# Altium PCB Modified.PcbDoc (part 3 of 3)
Units mm, origin at the board's own origin, x right, y up, seen from the top; angles counter-clockwise.
Board outline 130 x 95 mm, 2 copper layers (Top Layer, Bottom Layer), stack 1.671 mm thick; 165 components, 139 nets, 629 pads, 566 vias.
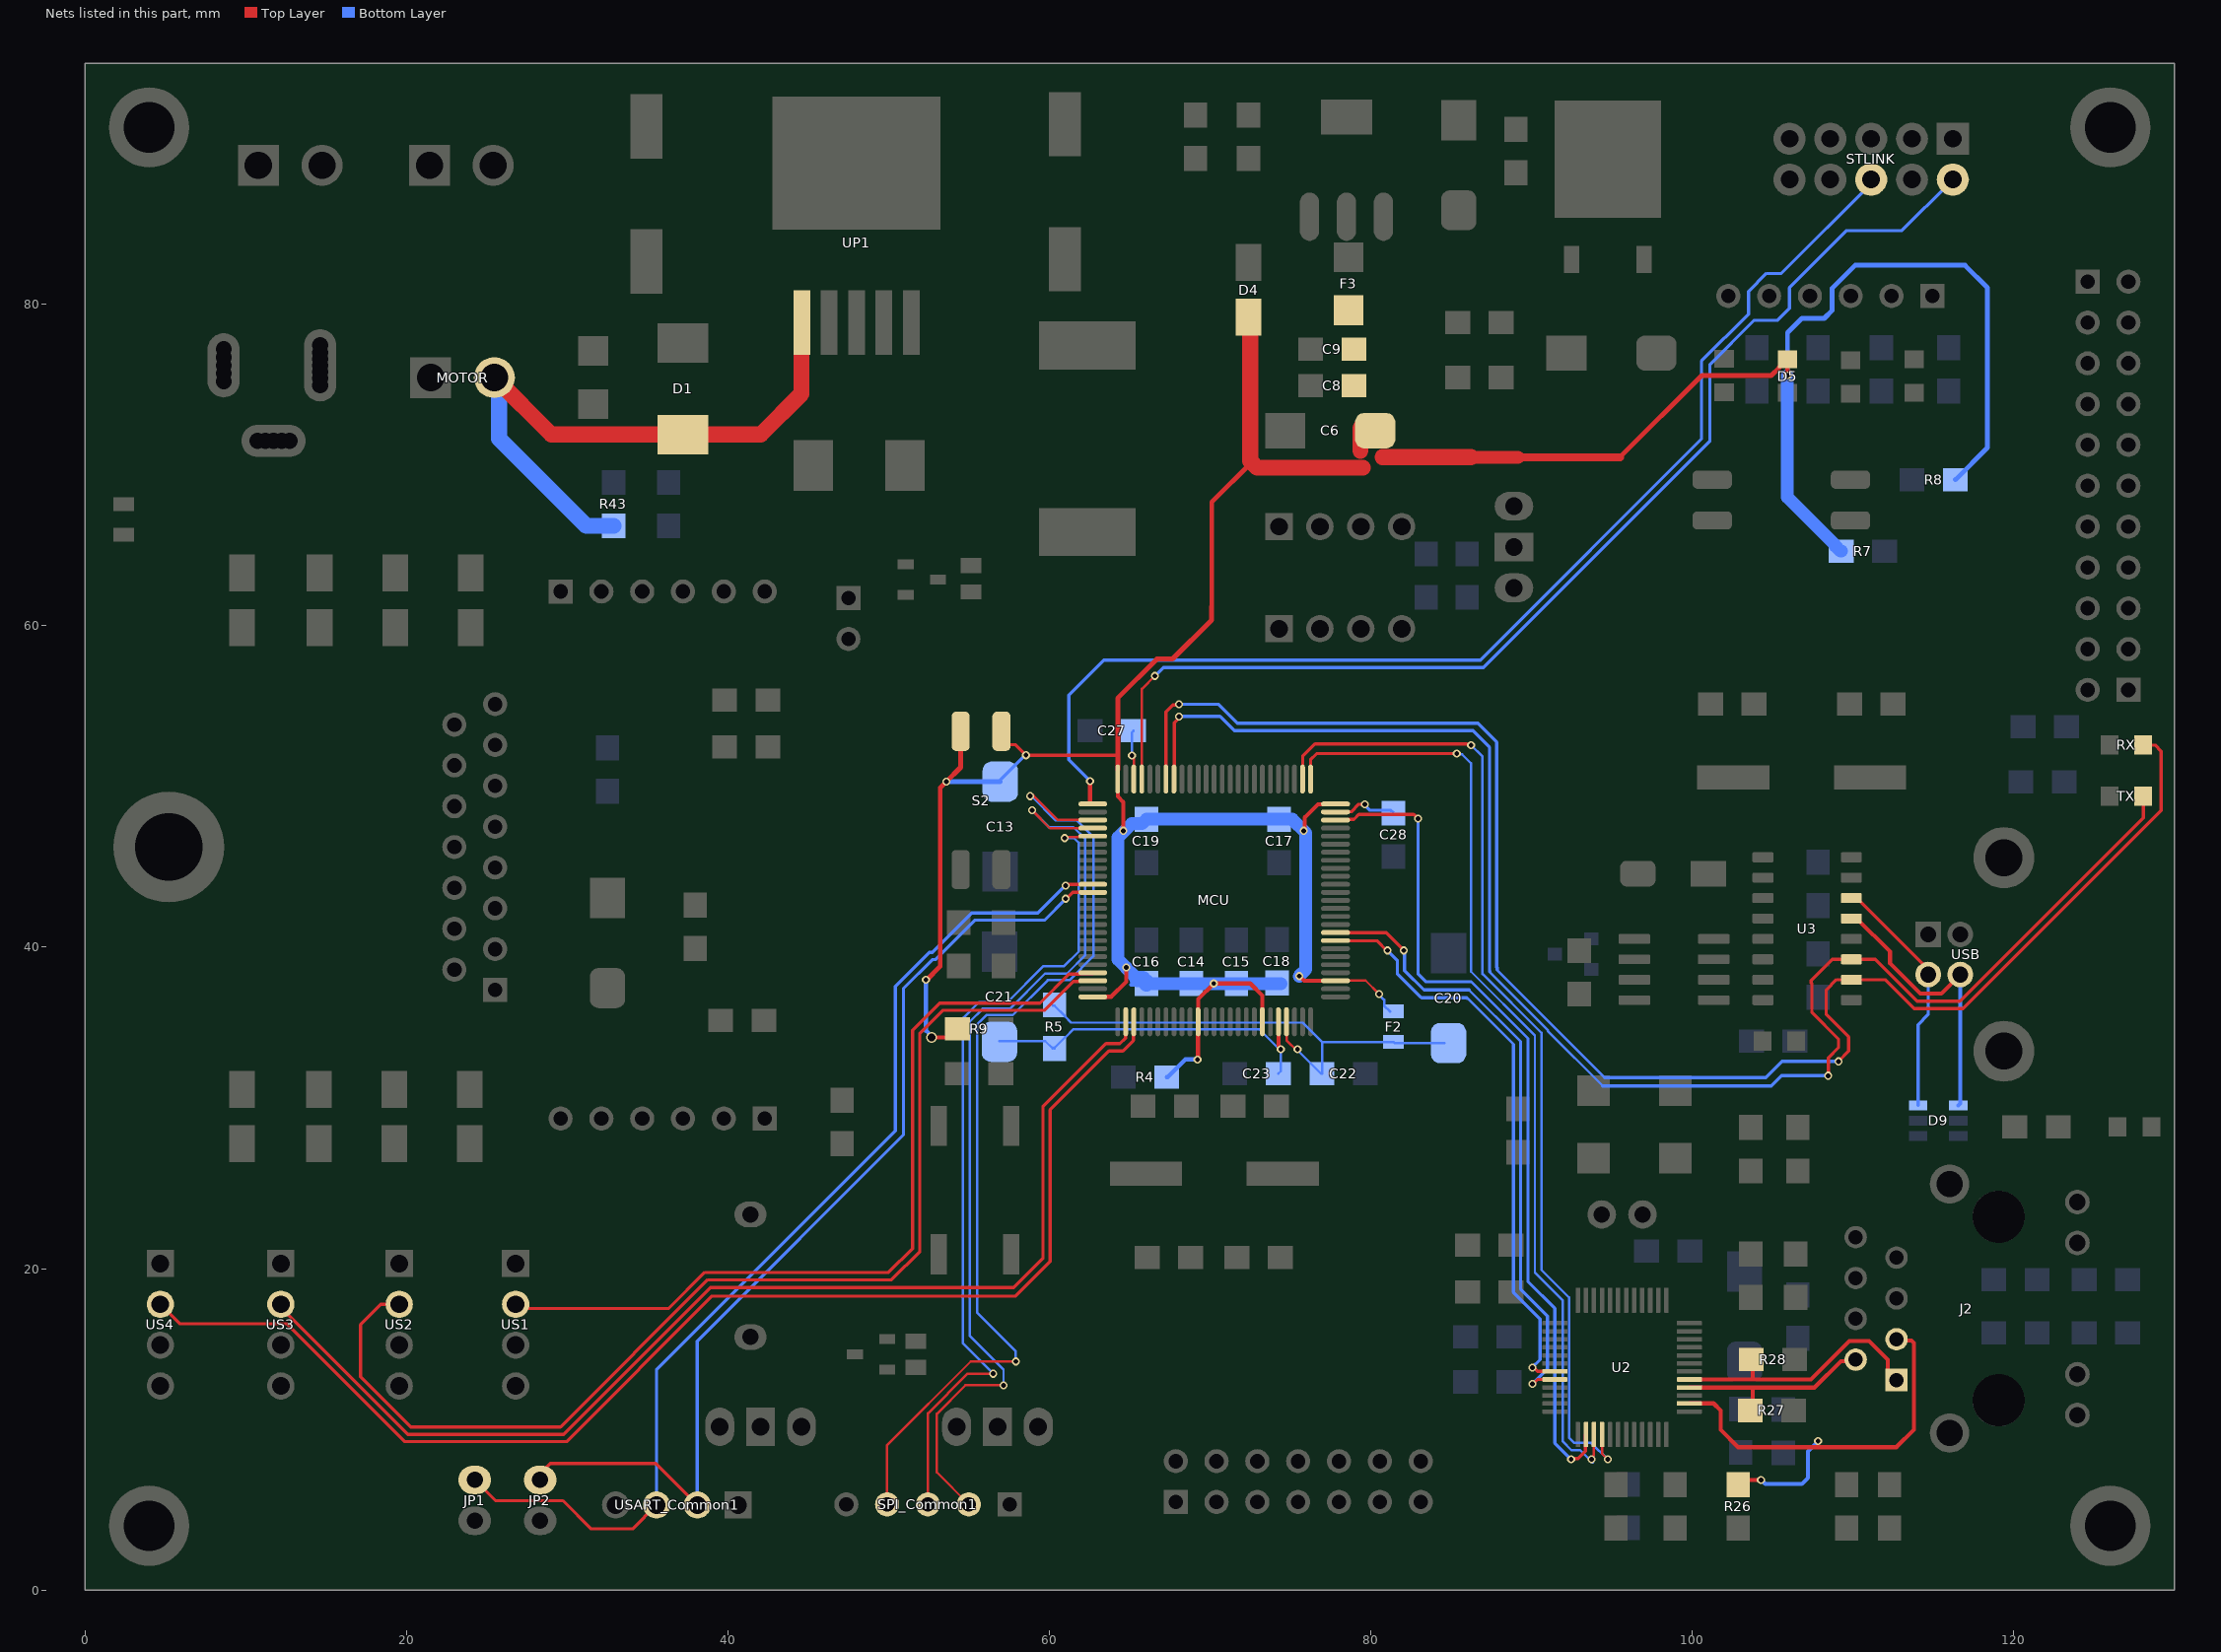
[diagram p3: the nets of this part, all layers, seen from the top]

## Via types
v1: diameter 0.7, hole 0.5, Top Layer to Bottom Layer, 217 vias
v2: diameter 0.5, hole 0.3, Top Layer to Bottom Layer, tented both sides, 183 vias
v3: diameter 0.5, hole 0.3, Top Layer to Bottom Layer, 139 vias
v4: diameter 0.7, hole 0.5, Top Layer to Bottom Layer, tented both sides, 19 vias
v5: diameter 1, hole 0.5, Top Layer to Bottom Layer, 4 vias
v6: diameter 0.7, hole 0.5, Top Layer to Bottom Layer, tented bottom, 3 vias
v7: diameter 0.7, hole 0.4, Top Layer to Bottom Layer, tented both sides, 1 vias

## Nets (pads, with @x,y where several pads share a name; then routed paths per layer and width w, separated by ;. In a path a pad name is that pad's centre, name@x,y a point inside that pad or via, vN(x,y) a via of type N, cw(c..) or ccw(c..) an arc to the next point about the centre after c; other vN are vias at no path point) (continued)
RD_P: J2.3 R26.2 U2.14 | length 30
  Top Layer w0.254: U2.14@99.822,11.616 101.321,11.616 101.767,11.17 101.767,9.972 102.849,8.89 112.693,8.89 113.782,9.979 113.782,15.37 113.633,15.519 112.79,15.519 J2.3@112.702,15.607 ; R26.2@102.849,6.672 103.032,6.854 v2(104.267,6.854)
  Bottom Layer w0.254: v2(104.267,6.854) 104.293,6.854 104.539,6.608 106.811,6.608 107.188,6.985 107.188,8.636 v2(107.823,9.271)
RXD_0_ETH: MCU.33 U2.43 | length 36.8
  Top Layer w0.2: MCU.33@77.81,40.401 80.376,40.401 v2@81.026,39.751 ; v2(90.043,13.843) 90.124,13.843 90.362,13.605 U2.43@91.451,13.605
  Bottom Layer w0.15: 85.979,36.83 86.014,36.83 88.867,33.977 88.867,33.942
  Bottom Layer w0.2: v2(81.026,39.797) 81.645,39.177 81.645,38.355 83.104,36.897 83.152,36.849 85.96,36.849 85.979,36.83 ; 88.867,33.942 88.867,18.526 90.532,16.861 90.532,14.332 v2(90.043,13.843)
RXD_1_ETH: MCU.34 U2.44 | length 38.9
  Top Layer w0.2: MCU.34@77.81,40.901 80.957,40.901 82.042,39.815 v2@82.042,39.751 ; v2(90.043,12.827) 90.093,12.827 90.371,13.105 U2.44@91.451,13.105
  Bottom Layer w0.15: 86.113,37.338 89.321,34.13
  Bottom Layer w0.2: v2@82.042,39.751 82.099,39.694 82.099,38.544 83.305,37.338 86.113,37.338 ; 89.321,34.13 89.321,18.714 90.986,17.049 90.986,13.77 v2(90.043,12.827)
  other v2: 82.042,39.797
SPI3_MISO: MCU.79 SPI_Common1.2 | length 59.2
  Top Layer w0.15: SPI_Common1.2@54.991,5.334 53,7.325 53,10.969 54.777,12.746 v2(57.15,12.746) ; v2(58.928,48.514) 60.04,47.402 MCU.79@62.694,47.402
  Bottom Layer w0.15: v2(57.15,12.746) 57.15,13.716 55.037,15.829 55.037,35.352 55.857,36.172 57.553,36.172 59.735,38.354 61.087,38.354 62.23,39.497 62.23,46.736 61.491,47.475 59.967,47.475 v2(58.928,48.514)
SPI3_MOSI: MCU.80 SPI_Common1.3 | length 52.5
  Top Layer w0.15: SPI_Common1.3@52.451,5.334 52.451,10.991 54.922,13.462 v2(56.515,13.462) ; v2(60.96,46.787) 61.026,46.853 61.789,46.853 61.817,46.881 62.673,46.881 MCU.80@62.702,46.909
  Bottom Layer w0.15: v2(56.515,13.462) 54.633,15.344 54.633,35.583 55.626,36.576 57.386,36.576 59.612,38.803 60.901,38.803 61.826,39.728 61.826,46.505 61.553,46.778 v2@60.969,46.778
  Bottom Layer w0.2: SPI_Common1.3@52.451,5.334 SPI_Common1.3@52.832,5.334
SPI3_SCK: MCU.78 SPI_Common1.4 | length 61.8
  Top Layer w0.15: SPI_Common1.4@49.911,5.334 49.911,9.023 55.112,14.224 v2(57.912,14.224) ; v2(58.796,49.398) 58.844,49.446 58.998,49.446 60.535,47.909 MCU.78@62.702,47.909
  Bottom Layer w0.15: v2(57.912,14.224) 57.912,14.859 55.499,17.272 55.499,35.179 56.088,35.768 57.72,35.768 59.902,37.95 61.254,37.95 62.738,39.434 62.738,46.863 61.722,47.879 60.41,47.879 58.891,49.398 v2(58.796,49.398)
SWDCLK: MCU.76 STLINK.6 | length 74.5
  Top Layer w0.254: v2(62.534,50.334) 62.534,48.931 62.564,48.901 MCU.76@62.71,48.901
  Bottom Layer w0.2: v2(62.534,50.334) 61.214,51.654 61.214,55.688 63.384,57.858 86.814,57.858 100.565,71.609 100.565,76.458 103.494,79.387 103.494,80.798 104.611,81.915 105.537,81.915 111.125,87.503 STLINK.6@111.125,87.757
SWDIO: MCU.72 STLINK.2 | length 72.8
  Top Layer w0.15: MCU.72@65.76,50.451 65.76,56.072 v2(66.566,56.878)
  Bottom Layer w0.2: v2(66.566,56.878) 67.092,57.404 87.002,57.404 101.092,71.494 101.092,76.267 103.819,78.994 105.283,78.994 106.045,79.756 106.045,81.026 109.601,84.582 113.03,84.582 STLINK.2@115.995,87.547 ; STLINK.2@115.926,87.616 cw(c116.153,87.503) 116.129,87.756 116.141,87.757 STLINK.2@116.205,87.757
TD_N: J2.2 R27.1 U2.16 | length 12.5
  Top Layer w0.254: U2.16@99.819,12.597 103.759,12.597 ; R27.1@103.747,11.176 103.747,12.585 103.759,12.597 ; J2.2@110.162,14.337 110.067,14.242 109.238,14.242 107.593,12.597 103.759,12.597
TD_P: J2.1 R28.2 U2.17 | length 16.6
  Top Layer w0.254: U2.17@99.811,13.105 103.759,13.105 ; R28.2@103.667,14.351 103.759,14.259 103.759,13.105 ; J2.1@112.702,13.067 112.159,13.61 112.159,14.333 110.998,15.494 109.772,15.494 107.383,13.105 103.759,13.105
Trig_HC1: MCU.97 US1.2 | length 52.6
  Top Layer w0.2: US1.2@26.797,17.78 27.051,17.526 36.329,17.526 38.565,19.762 50.002,19.762 51.489,21.249 51.489,34.838 53.173,36.522 59.418,36.522 61.225,38.329 61.899,38.329 61.932,38.363 62.673,38.363 MCU.97@62.71,38.401
Trig_HC2: MCU.98 US2.2 | length 72.5
  Top Layer w0.2: US2.2@19.558,17.78 18.415,17.78 17.145,16.51 17.145,13.274 20.275,10.144 29.589,10.144 38.749,19.304 50.186,19.304 51.943,21.061 51.943,34.65 53.361,36.068 59.683,36.068 61.478,37.863 61.835,37.863 61.847,37.875 62.685,37.875 MCU.98@62.71,37.901
Trig_HC3: MCU.2 US3.2 | length 72.8
  Top Layer w0.2: US3.2@12.192,17.78 12.192,17.585 20.087,9.69 29.777,9.69 38.915,18.828 57.791,18.828 59.598,20.635 59.598,30.071 63.522,33.995 64.387,33.995 64.732,34.34 64.732,35.323 MCU.2@64.76,35.351
Trig_HC4: MCU.3 US4.2 | length 81.1
  Top Layer w0.2: US4.2@4.699,17.78 5.903,16.576 12.559,16.576 16.376,12.759 19.899,9.236 29.965,9.236 39.02,18.291 57.896,18.291 60.052,20.447 60.052,29.883 63.71,33.541 64.575,33.541 65.232,34.198 65.232,35.323 MCU.3@65.26,35.351
TX_0_ETH: MCU.51 U2.3 | length 60.2
  Top Layer w0.15: v2(93.726,8.128) 93.726,8.223 93.881,8.378 U2.3@93.881,9.675
  Top Layer w0.2: MCU.51@76.252,50.459 76.252,51.659 76.639,52.047 v2(85.344,52.047)
  Bottom Layer w0.15: v2(85.344,52.047) 85.391,52 85.668,52 86.233,51.435 86.233,38.481 90.204,34.51 90.204,19.762 91.925,18.04 91.925,9.266 92.484,8.707 93.02,8.707 93.662,8.064 v2@93.796,7.931
TX_1_ETH: MCU.52 U2.4 | length 62.5
  Top Layer w0.15: U2.4@94.381,9.675 94.381,8.489 v2(94.742,8.128)
  Top Layer w0.2: MCU.52@75.752,50.459 75.76,50.468 75.76,51.884 76.527,52.651 85.966,52.651 85.981,52.635 86.176,52.635 v2(86.233,52.578)
  Bottom Layer w0.15: v2(86.233,52.578) 86.948,51.863 86.948,38.337 90.608,34.678 90.608,19.929 92.329,18.208 92.329,9.486 92.654,9.16 93.71,9.16 v2(94.742,8.128)
TX_EN_ETH: MCU.48 U2.2 | length 53
  Top Layer w0.2: MCU.48@77.802,47.909 77.821,47.929 78.641,47.929 78.668,47.955 78.95,47.955 79.255,48.26 82.664,48.26 82.918,48.006 v2(82.931,48.006) ; v2(92.456,8.128) 92.513,8.185 92.894,8.185 93.341,8.632 93.341,9.635 U2.2@93.381,9.675
  Bottom Layer w0.15: 86.247,37.846 89.775,34.318
  Bottom Layer w0.2: v2(82.931,48.006) 82.931,38.354 83.439,37.846 86.247,37.846 ; 89.775,34.318 89.775,19.191 91.44,17.526 91.44,9.144 v2(92.456,8.128)
UD+: D9.4 U3.5 USB.3 | length 18
  Top Layer w0.254: U3.5@109.894,41.783 110.239,41.783 112.301,39.721 112.301,38.996 114.181,37.117 115.489,37.117 USB.3@116.67,38.298
  Bottom Layer w0.15: USB.3@116.67,38.298 USB.3@116.67,38.448
  Bottom Layer w0.254: D9.4@116.546,30.16 116.67,30.284 USB.3@116.67,38.298
UD-: D9.3 U3.6 USB.2 | length 15.7
  Top Layer w0.203: U3.6@109.894,43.053 110.239,43.053 114.67,38.622 USB.2@114.67,38.298
  Bottom Layer w0.203: D9.3@114.046,30.16 114.046,35.179 114.67,35.803 USB.2@114.67,38.298 USB.2@114.414,38.042
USART2_RX: JP2.2 MCU.87 USART_Common1.2 | length 62.7
  Top Layer w0.2: JP2.2@28.067,6.985 28.956,7.874 35.523,7.874 USART_Common1.2@38.1,5.298 ; v2(61.017,43.013) 61.054,43.013 61.45,43.409 62.673,43.409 MCU.87@62.687,43.395
  Bottom Layer w0.2: USART_Common1.2@38.1,5.715 38.1,15.494 50.927,28.321 50.927,37.43 52.721,39.224 52.904,39.224 55.361,41.681 59.695,41.681 61.017,43.003 v2(61.017,43.013)
USART2_TX: JP1.1 MCU.86 USART_Common1.3 | length 66.1
  Top Layer w0.2: JP1.1@24.257,6.858 25.554,5.561 29.745,5.561 31.496,3.81 34.072,3.81 USART_Common1.3@35.56,5.298 ; v2(61.011,43.825) 61.092,43.825 61.177,43.909 MCU.86@62.702,43.909 MCU.86@62.71,43.901
  Bottom Layer w0.2: USART_Common1.3@35.56,5.715 35.56,13.716 50.419,28.575 50.419,37.564 52.533,39.678 52.716,39.678 55.173,42.135 59.284,42.135 60.974,43.825 v2(61.011,43.825)
USB_TTL_RX: MCU.68 TX.1 U3.3 | length 97.7
  Top Layer w0.203: MCU.68@67.752,50.459 67.77,50.478 67.77,53.974 68.072,54.276 v2(68.072,54.356) ; v2(108.458,32.004) 108.458,33.114 109.093,33.749 109.093,34.282 107.442,35.933 107.442,37.719 107.399,37.762 107.399,37.93 108.712,39.243 U3.3@109.894,39.243 111.372,39.243 113.981,36.634 116.641,36.634 128.05,48.044 TX.1@128.05,49.403
  Bottom Layer w0.15: 87.395,38.5 87.395,38.462 91.012,34.845 91.012,34.782 94.424,31.369
  Bottom Layer w0.203: v2(68.072,54.356) 70.612,54.356 71.501,53.467 86.36,53.467 87.379,52.448 87.379,38.515 87.395,38.5 ; 94.424,31.369 104.902,31.369 105.537,32.004 v2(108.458,32.004)
USB_TTL_TX: MCU.69 RX.1 U3.2 | length 101.8
  Top Layer w0.203: MCU.69@67.252,50.459 67.252,54.205 67.251,54.204 67.251,54.631 67.68,55.061 68.015,55.061 v2(68.072,55.118) ; v2(109.093,32.893) 109.728,33.528 109.728,34.417 108.331,35.814 108.331,37.338 108.966,37.973 U3.2@109.894,37.973 111.996,37.973 113.792,36.177 116.83,36.177 129.159,48.506 129.159,52.197 128.786,52.57 128.058,52.57 RX.1@128.05,52.578
  Bottom Layer w0.15: 87.855,38.611 87.823,38.611 87.82,38.608 94.551,31.877
  Bottom Layer w0.203: v2(68.072,55.118) 70.497,55.118 71.69,53.924 86.665,53.924 87.836,52.753 87.836,38.737 87.855,38.719 87.855,38.611 ; 94.551,31.877 104.574,31.877 105.59,32.893 v2(109.093,32.893)
VCAP_1: C28.2 MCU.49 | length 4.1
  Top Layer w0.2: MCU.49@77.802,48.409 78.585,48.409 78.598,48.422 78.775,48.422 79.248,48.895 v2(79.629,48.895)
  Bottom Layer w0.2: v2(79.629,48.895) 79.629,48.825 79.94,48.514 81.233,48.514 C28.2@81.407,48.34
VCAP_2: C27.2 MCU.73 | length 3.1
  Top Layer w0.15: v2(65.137,51.926) 65.137,51.832 65.252,51.718 MCU.73@65.252,50.459 MCU.73@65.26,50.451
  Bottom Layer w0.15: v2(65.137,51.926) 65.137,53.357 C27.2@65.239,53.459
VDD_MCU: C6.1 C8.2 C9.2 C13.1 C14.2 C15.2 C16.2 C17.2 C18.2 C19.2 D4.1 D5.2 F2.2 F3.2 MCU.11 MCU.19 MCU.28 MCU.50 MCU.75 MCU.100 R4.1 R7.1 R8.1 R9.2 S2.3 S2.4 | length 218.6
  Top Layer w0.15: MCU.28@77.81,37.901 77.839,37.929 79.673,37.929 v2(80.518,37.084)
  Top Layer w0.2: S2.3@57.023,53.431 57.023,53.045 57.474,52.593 57.897,52.593 v2(58.547,51.943) 64.26,51.943 ; MCU.75@64.26,50.344 MCU.75@64.26,51.006 ; D5.2@105.418,76.081 105.418,76.131 105.868,76.581 D5.2@105.918,76.581
  Top Layer w0.254: v1(52.674,34.386) 53.737,34.386 R9.2@54.276,34.925 ; MCU.100@62.719,36.909 62.728,36.918 63.852,36.918 64.789,37.855 v2(64.789,38.735) ; MCU.75@64.26,50.344 64.26,49.375 64.612,49.023 v2(64.612,47.244) ; v2(69.215,33.011) 69.243,33.039 69.243,35.333 69.26,35.351 69.26,36.77 v2(70.231,37.741) 72.495,37.741 73.252,36.984 MCU.19@73.252,35.359 ; v2@75.56,38.2 75.859,37.901 MCU.28@77.81,37.901 ; v2(75.819,47.244) 75.885,47.31 75.885,48.072 76.705,48.892 77.802,48.892 MCU.50@77.81,48.901
  Top Layer w0.3: v2(52.324,37.973) 52.378,37.973 53.213,38.808 53.213,49.92 v2(53.585,50.292) 54.483,51.19 S2.4@54.483,53.431 ; MCU.75@64.26,51.052 64.26,51.943 64.26,55.497 66.696,57.933 67.67,57.933 70.089,60.352 70.089,61.186 70.104,61.201 70.104,67.691 72.581,70.168 ; 95.504,70.485 100.584,75.565 104.902,75.565 D5.2@105.418,76.081 ; v2(105.918,75.565) D5.2@105.918,76.581
  Top Layer w0.5: 89.154,70.485 95.504,70.485
  Top Layer w0.8: 86.233,70.485 89.154,70.485
  Top Layer w1: D4.1@72.39,79.199 72.496,79.093 72.496,70.252 72.581,70.168 72.923,69.825 79.502,69.825 ; 79.349,70.893 C6.1@79.349,72.293 ; 80.735,70.485 86.233,70.485
  Bottom Layer w0.15: v2(80.518,37.084) 80.518,37.04 80.832,36.726 80.832,36.352 81.182,36.002 F2.2@81.197,36.002
  Bottom Layer w0.2: C13.1@56.946,50.298 56.946,50.395 58.494,51.943 v2(58.547,51.943)
  Bottom Layer w0.254: v2(52.324,37.973) 52.324,34.803 52.674,34.452 v1(52.674,34.386) ; 65.083,37.661 65.442,37.661 65.483,37.702 C16.2@65.483,37.741 ; R4.1@67.301,31.917 67.351,31.917 68.457,33.022 69.203,33.022 v2(69.215,33.011)
  Bottom Layer w0.3: v2(53.585,50.292) 56.94,50.292 C13.1@56.946,50.298 ; v2(105.918,75.565) 105.918,78.232 106.807,79.121 108.204,79.121 108.701,79.618 108.701,80.996 110.128,82.423 116.967,82.423 118.364,81.026 118.364,71.087 R8.1@116.365,69.088
  Bottom Layer w0.8: v2@64.776,38.722 C16.2@65.483,38.016 ; v2(64.789,38.735) 64.763,38.735 64.262,39.236 64.262,46.823 65.123,47.684 65.765,47.684 C19.2@66.04,47.959 C17.2@74.295,47.959 75.102,47.959 75.946,47.115 75.946,38.608 v2(75.538,38.2) ; C16.2@66.04,37.741 C14.2@68.834,37.741 v2(70.231,37.741) C15.2@71.628,37.741 C18.2@74.422,37.741 ; v2(105.918,75.565) 105.918,67.992 108.892,65.018 108.892,64.968 109.217,64.643 R7.1@109.267,64.643
  Bottom Layer w1: C16.2@65.483,38.016 65.815,38.016 66.04,37.791 C16.2@66.04,37.741
VDDA: C20.1 C22.2 F2.1 MCU.22 R5.1 | length 31.5
  Top Layer w0.15: MCU.22@74.76,35.351 74.76,34.206 v2@75.438,33.528
  Bottom Layer w0.15: R5.1@60.198,36.352 60.325,36.352 60.975,35.702 60.975,35.689 61.358,35.306 75.756,35.306 76.962,34.1 ; v2@75.438,33.528 75.505,33.528 76.902,32.131 C22.2@76.952,32.131 76.962,32.141 76.962,34.1 ; F2.1@81.405,34.1 76.962,34.1 ; F2.1@81.407,34.102 81.479,34.03 C20.1@84.582,34.03
  other v2: 75.438,33.646
VIN: D1.2 MOTOR.2 R43.1 UP1.1 | length 39.4
  Top Layer w1: MOTOR.2@25.475,75.438 29.016,71.897 D1.2@37.211,71.897 42.052,71.897 44.581,74.426 44.581,78.833 UP1.1@44.606,78.858
  Bottom Layer w1: MOTOR.2@25.475,75.438 25.772,75.141 25.772,71.637 31.195,66.214 R43.1@32.893,66.214
VREF: C21.1 C23.2 MCU.21 R5.2 | length 22
  Top Layer w0.254: MCU.21@74.26,35.351 74.26,33.856 74.395,33.722 v2@74.395,33.655
  Bottom Layer w0.15: C21.1@56.896,34.157 59.743,34.157 60.198,33.702 R5.2@60.198,33.752 ; R5.2@60.325,33.702 60.325,33.752 60.975,34.402 61.004,34.402 61.504,34.902 73.048,34.902 74.228,33.722 74.233,33.722 74.295,33.66 74.295,33.655 v2@74.395,33.655 ; C23.2@74.238,32.131 74.395,32.288 74.395,33.555 v2@74.345,33.605
  other v2: 74.395,33.646
pads on no net: D9.1 D9.6 J2. J2.7 Jetson1.7 Jetson1.9 Jetson1.10 MCU.1 MCU.7 MCU.8 MCU.9 MCU.15 MCU.23 MCU.26 MCU.31 MCU.83 MCU.88 STLINK.1 STLINK.5 STLINK.7 STLINK.8 STLINK.9 STLINK.10 U2.1 U2.5 U2.8 U2.9 U2.10 U2.11 U2.12 U2.25 U2.33 U2.38 U2.41 U2.42 U2.45 U2.46 U3.9 U3.10 U3.11 U3.12 U3.13 U3.14 U3.15 U4.5 U4.6 U4.7
copper on no net:
  other v3: 4,2 126,2 2.586,2.586 5.414,2.586 124.586,2.586 127.414,2.586 2,4 6,4 124,4 128,4 2.586,5.414 5.414,5.414 124.586,5.414 127.414,5.414 4,6 126,6 4,89 126,89 2.586,89.586 5.414,89.586 124.586,89.586 127.414,89.586 2,91 6,91 124,91 128,91 2.586,92.414 5.414,92.414 124.586,92.414 127.414,92.414 4,93 126,93

## Polygon pours and split planes (outlines as drawn)
GND on Bottom Layer "GND_L02_P042" (solid, remove dead copper, pour order 42): 36.585,24.087 36.585,74.777 128.787,74.777 128.787,23.596
GND on Bottom Layer "GND_L02_P013" (solid, remove dead copper, pour order 13): 51.181,39.878 51.181,93.599 121.92,93.599 121.92,89.281 122.936,88.265 128.808,88.265 128.809,88.266 129.317,87.758 129.317,39.655 129.286,39.624
M_GND on Bottom Layer "M_GND_L02_P051" (solid, remove dead copper, pour order 51): 11.901,66.035 35.306,52.832 35.306,26.289 35.052,26.543 1.143,26.67
M_GND on Bottom Layer "M_GND_L02_P050" (solid, remove dead copper, pour order 50): 0.508,26.67 0.508,66.294 26.035,66.294 26.162,66.167 26.162,57.785
GND on Bottom Layer "GND_L02_P029" (solid, remove dead copper, pour order 29): 0.508,0.875 0.508,24.511 129.159,24.511 129.159,1.128
GND on Top Layer "GND_L01_P040" (solid, remove dead copper, pour order 40): 129.794,0.127 129.032,0.889 37.592,0.889 37.592,67.691 129.159,67.691
GND on Top Layer "GND_L01_P047" (solid, remove dead copper, pour order 47): 38.64,37.37 38.64,49.117 38.608,49.149 40.397,50.938 60.671,50.938 60.671,36.611 61.849,35.433
GND on Top Layer "GND_L01_P032" (solid, remove dead copper, pour order 32): 0.508,0.889 0.508,24.638 129.286,24.638 129.286,1.016
M_GND on Top Layer "M_GND_L01_P052" (solid, remove dead copper, pour order 52): 24.956,26.607 35.941,37.592 35.941,54.483 23.876,66.294 23.368,66.294 0.635,66.294 0.635,26.419
GND on Top Layer "GND_L01_P045" (solid, remove dead copper, pour order 45): 33.909,23.368 33.909,32.766 38.513,37.37 61.291,37.37 61.291,26.339 61.722,23.114
GND on Top Layer "GND_L01_P053" (solid, remove dead copper, pour order 53): 129.54,66.548 128.143,67.945 71.12,67.945 71.12,94.107 70.866,94.361 129.794,94.361
GND on Top Layer "GND_L01_P054" (solid, remove dead copper, pour order 54): 81.788,65.913 42.037,65.913 41.91,65.786 41.021,66.675 41.021,94.15 81.788,94.15

## Other copper
Top Layer:
  rectangle net GND: 0.505,67.183 13.589,72.771
  rectangle net M_GND: 0.508,61.341 4.318,66.294
  rectangle net M_GND: 30.409,42.037 35.179,44.365
  rectangle net M_GND: 32.385,50.546 34.798,53.213
  rectangle net GND: 33.909,23.876 35.941,30.48
  rectangle net M_GND: 33.333,41.91 38.735,43.434
  rectangle net M_GND: 34.29,40.513 35.941,43.434
  rectangle net VDD_MCU: 77.724,73.914 81.788,80.137
  rectangle net +5V: 89.599,87.63 90.043,87.947
  rectangle net +5V: 89.281,86.487 90.932,87.757
  rectangle net +5V: 88.265,84.836 89.789,88.9
  rectangle net +5V: 60.579,78.105 67.31,83.439
  rectangle net GND: 51.943,88.9 53.848,91.44
  rectangle net GND: 91.241,84.963 98.679,85.217
  rectangle net GND: 73.202,71.032 74.543,74.125
  rectangle net GND: 73.533,71.171 75.819,79.121
  rectangle net VDD_MCU: 78.613,69.342 81.788,74.422
  rectangle net VDD_MCU: 77.597,73.787 79.629,80.772
  rectangle net GND: 33.782,63.246 38.227,67.691
  rectangle net GND: 33.782,60.833 35.179,67.691
  rectangle net GND: 32.893,23.749 36.703,24.638
  rectangle net M_GND: 17.018,36.957 20.066,53.721
  rectangle net GND: 50.8,76.835 58.293,81.534
  rectangle net +3.3V: 96.52,76.327 102.616,83.693
  rectangle net GND: 87.757,74.676 93.726,79.629
  rectangle net GND: 103.124,92.329 120.523,93.218
  rectangle net GND: 111.125,78.867 117.094,82.423
  rectangle net GND: 120.65,87.376 129.286,94.361
  rectangle net GND: 98.425,48.133 99.441,53.848
  rectangle net GND: 52.832,23.876 54.864,26.924
  rectangle net GND: 80.137,49.657 82.296,51.181
  rectangle net +5V: 59.944,75.946 62.103,84.836
  rectangle net GND: 86.868,74.295 89.789,80.01
  rectangle net GND: 92.329,73.406 94.742,74.93
  rectangle net GND: 41.402,81.407 55.88,89.662
  rectangle net GND: 43.561,81.28 51.181,84.074
  rectangle net GND: 0.508,92.964 120.523,94.361
  rectangle net GND: 0.508,86.868 7.747,94.234
  rectangle net GND: 119.507,1.159 129.159,9.017
  rectangle net GND: 51.435,51.816 53.086,55.372
  rectangle net M_GND: 3.727,52.324 18.258,56.201
  rectangle net GND: 83.82,89.408 103.632,93.599
  rectangle net F2: 77.724,81.915 79.502,92.329
  rectangle net GND: 74.93,73.787 77.089,86.946
  rectangle: 121.209,88.01 129.054,93.652
  rectangle net GND: 0.509,87.757 6.858,93.599
  rectangle: 122.301,1.159 129.159,6.985
  rectangle net M_GND: 3.429,36.068 19.939,38.481
  rectangle net M_GND: 0.508,26.543 25.019,29.21
  rectangle net GND: 79.248,4.064 84.582,10.16
  rectangle net GND: 81.84,31.115 83.947,31.96
  rectangle net GND: 81.586,31.91 84.074,32.893
  rectangle net GND: 84.836,40.64 86.032,42.022
  rectangle net GND: 87.376,37.973 90.193,41.783
  rectangle net GND: 71.247,59.055 72.644,60.706
  rectangle net GND: 65.405,58.42 67.056,60.071
  rectangle net GND: 91.241,85.115 98.552,91.186
  rectangle net GND: 42.672,84.582 53.213,90.551
  rectangle net M_GND: 0.508,26.67 5.969,61.341
  rectangle net M_GND: 1.905,38.1 19.939,54.737
  rectangle net GND: 7.747,90.551 76.581,93.599
  rectangle net GND: 83.82,89.408 87.071,89.413
  rectangle net GND: 42.545,82.931 53.467,86.36
  rectangle net L298VS: 20.32,62.865 22.733,76.835
  rectangle net L298VS: 9.017,62.103 24.765,64.643
  rectangle net GND: 0.505,67.183 3.302,71.247
  rectangle net GND: 1.143,69.977 6.985,87.376
  rectangle net RD_N: 107.555,7.803 108.077,8.382
  rectangle net RD_P: 107.555,8.946 108.077,9.525
  rectangle net NetCHARGER_2: 13.589,87.63 21.844,89.789
  rectangle net NetCHARGER_2: 13.589,74.041 15.748,89.789
  rectangle net NetC1_1: 30.607,75.819 39.116,85.09
  rectangle net GND: 66.421,21.844 73.914,24.765
  rectangle net GND: 92.583,10.922 98.425,16.51
  rectangle net GND: 111.633,79.502 115.697,81.788
  rectangle net GND: 102.616,53.213 110.998,56.896
  rectangle net GND: 102.616,51.689 105.664,54.102
  rectangle net GND: 107.95,51.816 110.998,53.34
  rectangle net GND: 105.283,48.514 108.331,53.721
  rectangle net GND: 96.901,91.821 98.044,92.71
  rectangle net GND: 83.82,89.662 97.155,90.805
  rectangle net GND: 94.361,73.406 95.25,75.057
  rectangle net GND: 75.311,84.963 76.581,86.36
  rectangle net GND: 50.8,76.835 52.07,85.979
  rectangle net GND: 29.591,88.773 42.926,91.186
  rectangle net GND: 8.763,80.772 12.827,90.678
  rectangle net GND: 6.858,73.787 10.033,92.456
  rectangle net GND: 6.858,69.977 13.462,72.898
  rectangle net GND: 6.858,72.517 10.033,74.041
  rectangle net GND: 66.167,26.924 73.914,28.829
  rectangle net +5V: 65.024,75.946 69.723,81.407
  rectangle net +5V: 66.04,81.153 73.787,85.217
  region net GND: 13.462,72.898 9.779,76.581 9.779,72.771
  region net GND: 63.514,55.63 63.242,55.63 62.992,55.753 62.94,55.828 62.796,55.828 62.796,55.441 62.992,55.245 63.593,55.245
  region net GND: 62.821,55.701 63.062,55.46 63.593,55.46 63.593,54.576 62.992,53.975 61.976,54.991 60.706,54.991
  region net GND: 46.228,53.086 48.895,55.753 48.514,55.753 47.371,56.896 44.958,54.483
  region net GND: 90.932,88.123 90.934,88.123 91.265,87.792 91.44,87.967 91.44,88.9
  region net +5V: 87.122,86.995 87.122,87.757 88.265,88.9 90.17,86.995 90.932,86.995
  region net +5V: 90.932,86.995 90.932,87.757 89.789,88.9 88.265,88.9
  region net +5V: 80.137,84.836 82.296,86.995 90.932,86.995 90.932,84.836 91.567,84.201 93.091,84.201 93.853,83.439 93.853,81.534 92.71,80.391 80.518,80.391 80.137,80.772
  region net GND: 29.591,88.773 27.432,90.932 27.94,91.44 30.734,91.44
  region net GND: 91.241,85.115 91.241,84.893 91.273,84.861 91.378,84.967 91.378,85.115
  region net GND: 91.313,88.011 91.313,88.25 90.932,88.631 91.455,89.154 91.567,89.154
  region net +5V: 66.04,86.487 68.087,89.846 73.101,89.846 74.168,88.646 74.168,81.153 66.04,81.153
  region net GND: 37.469,63.207 37.469,63.196 37.592,63.073 37.592,63.246
  region net GND: 37.604,63.072 37.469,63.207 37.015,63.207
  region net GND: 36.351,62.801 36.162,62.991 36.162,63.044 36.611,63.044 36.718,63.151
  region net GND: 36.351,62.801 36.449,62.899 36.449,63.5 37.084,63.5
  region net GND: 36.351,62.801 36.796,63.246 37.075,63.246
  region net GND: 38.105,63.093 37.592,63.246 36.558,63.246
  region net GND: 36.145,62.356 36.558,63.246 37.592,63.246 37.592,63.754 37.465,63.627 36.068,63.627
  region net GND: 35.491,61.41 36.162,62.08 36.162,64.008 34.798,64.008
  region net GND: 35.655,61.573 34.915,60.833 33.782,60.833 33.782,61.651 35.25,63.119 35.814,63.119
  region net GND: 93.058,80.137 93.051,80.13 93.051,79.788 93.504,79.788 93.98,80.264
  region net GND: 7.717,5.329 4.445,8.601 4.445,8.636 1.397,8.636 0.635,7.874 0.704,7.805 0.704,1.016 8.636,1.016
  region: 0.889,1.016 1.27,1.397 1.27,8.001 4.699,8.001 7.493,5.207 7.493,1.27 7.366,1.143
  region net GND: 68.199,39.243 66.802,40.64 67.437,40.64 68.072,41.275 67.818,41.529 66.675,41.529 66.675,41.402 65.786,40.513 65.913,40.386 65.913,39.243 69.977,39.243 67.818,41.402 66.421,41.402 65.659,40.64
  region net GND: 74.926,42.751 74.552,43.126 74.552,43.132 73.562,43.132 73.406,42.977 73.406,42.574 74.061,42.574 74.61,42.024
  region net GND: 74.672,42.646 74.168,42.799 73.706,42.874 73.406,42.574 73.406,42.164 73.787,42.164 74.549,41.402
  region net GND: 66.865,42.735 66.802,42.799 65.405,42.799 65.405,42.926 66.167,43.688
  region net GND: 66.864,42.501 66.861,42.498 65.503,42.498 65.448,42.553 65.567,42.672 66.802,42.672 66.929,42.799
  region net GND: 97.717,30.752 97.717,30.745 96.634,29.662 95.885,30.411 95.885,30.734 96.647,31.496
  region net GND: 119.571,27.904 120.741,27.904 120.269,27.432 119.634,27.432
  region net GND: 91.313,84.836 91.298,84.836 91.273,84.861 91.273,85.325 91.379,85.431
  region net GND: 99.092,56.369 99.758,57.034 100.023,56.769 100.076,56.769 100.076,56.515 99.441,55.88
  region net GND: 57.479,24.081 57.479,26.973 56.691,26.973 56.388,26.67 56.388,23.876
  pour cut-out: 68.516,32.575 68.135,32.194 68.072,32.258 64.135,32.258 61.341,29.464 61.341,20.066 64.008,17.399 76.454,17.399 79.121,20.066 79.121,29.464 76.327,32.258 74.152,32.258 73.897,32.513
  pour cut-out: 100.04,46.772 99.06,47.752 99.06,56.134 99.822,56.896 113.792,56.896 114.554,56.134 114.554,47.625 113.538,46.609
  region net L298VS: 23.241,64.643 23.241,64.648 22.495,65.394 22.479,65.378 22.479,64.643
  region net L298VS: 19.685,64.516 19.685,64.521 20.431,65.267 20.447,65.251 20.447,64.516
  region net GND: 6.54,87.757 1.397,87.757 0.508,86.868 0.508,70.612 1.143,69.977
  region net GND: 7.027,87.249 6.35,87.249 6.35,87.757 6.858,87.757
  region net GND: 6.858,88.265 6.35,87.757 6.858,87.757
  region net NetCHARGER_2: 16.637,87.63 15.494,86.614 15.494,87.884
  region net RD_P: 102.87,6.651 103.808,5.713 101.942,5.713 101.884,5.654
  region net GND: 64.77,31.14 64.77,28.702 63.373,28.702 63.373,29.464
  region net GND: 67.945,23.622 68.834,25.019 71.628,25.019 72.517,23.622
  region net GND: 68.834,25.019 68.834,26.67 71.628,26.67 71.628,25.019
  region net GND: 72.517,21.717 72.517,23.622 67.945,23.622 67.945,21.717
  region net GND: 67.945,21.717 67.945,19.431 72.517,19.431 72.517,21.717
  region net GND: 65.786,21.717 65.786,23.114 63.373,23.114 63.373,21.717
  region net GND: 65.024,21.717 65.024,19.685 63.373,19.685 63.373,21.717
  region net GND: 61.341,20.066 61.341,29.464 63.373,29.464 63.373,20.066
  region net GND: 64.008,19.685 64.008,17.399 76.454,17.399 76.454,19.685
  region net GND: 61.341,20.066 64.008,17.399 64.008,20.066
  region net GND: 61.341,29.464 64.135,32.258 66.548,32.258
  region net GND: 61.341,29.464 63.373,29.464 65.751,32.131 65.155,32.131
  region net GND: 79.121,20.066 76.454,17.399 76.454,20.066
  region net GND: 75.438,21.717 75.438,19.685 77.089,19.685 77.089,21.717
  region net GND: 74.676,21.717 74.676,23.114 77.089,23.114 77.089,21.717
  region net GND: 114.935,80.518 112.395,80.586 113.665,82.55
  region net GND: 113.538,56.134 114.554,56.134 114.554,47.625 113.538,46.609
  region net GND: 110.744,56.134 110.744,56.896 113.792,56.896 114.554,56.134
  region net GND: 110.617,46.609 111.887,47.879 113.665,47.879 113.538,47.752 113.538,46.609
  region net GND: 102.997,48.006 104.236,46.735 102.997,46.735
  region net GND: 100.076,46.736 103.06,46.736 103.06,48.006 102.933,48.133 100.076,48.133
  region net GND: 102.87,56.134 102.87,56.896 99.822,56.896 99.06,56.134
  region net GND: 97.917,90.678 97.917,92.71 99.949,92.71
  region net GND: 98.044,92.71 97.155,93.599 96.71,93.154 96.71,92.519
  region net GND: 94.361,80.899 92.71,79.502 94.361,79.502
  region net GND: 90.297,89.789 91.567,88.519 91.567,89.789
  region net GND: 94.361,73.406 92.71,74.803 94.361,74.803
  region net GND: 89.281,76.454 89.281,77.343 90.043,77.343 90.043,76.454
  region net GND: 74.676,89.662 73.787,90.551 74.041,90.805 74.93,90.805
  region net GND: 100.076,56.134 99.06,56.134 99.06,47.752 100.076,46.736
  region net GND: 79.121,20.066 79.121,29.464 77.089,29.464 77.089,20.066
  region net GND: 79.121,29.464 76.327,32.258 74.168,32.258 76.962,29.464
  region net GND: 77.851,28.702 75.184,28.702 75.184,31.496
  region net GND: 73.637,32.768 73.637,31.152 75.326,31.152
  region net GND: 73.891,36.069 73.637,36.069 73.637,32.385 73.891,32.385
  region net GND: 11.811,89.662 13.208,90.805 12.954,91.059 12.065,91.059
  region net GND: 12.827,80.864 9.734,80.864 9.734,77.771
  region net GND: 9.906,79.883 10.795,80.772 10.541,81.026 9.652,81.026
  region net GND: 8.636,92.71 7.747,93.599 7.302,93.154 7.302,92.519
  region net GND: 7.302,93.154 6.858,92.71 6.858,73.787 7.62,73.787 7.874,74.041 7.874,92.837
  region net GND: 68.834,26.67 67.183,28.321 67.183,28.829 73.025,28.829 73.025,28.448 71.882,27.051 71.628,26.67
  region net GND: 68.135,32.194 68.516,32.575 68.516,32.239 68.561,32.194
  region net GND: 65.864,32.258 68.649,32.258 68.649,31.115 64.845,31.115
  region net +5V: 82.296,86.995 80.518,86.995 80.137,86.614 80.137,84.836
  region net +5V: 67.183,81.153 65.278,81.153 65.278,79.375
Bottom Layer:
  rectangle net M_GND: 0.508,26.67 1.778,28.321
  rectangle net M_GND: 33.401,43.341 34.854,44.704
  rectangle net M_GND: 32.512,42.799 34.493,45.339
  rectangle net +5V: 31.75,46.99 33.274,50.419
  rectangle net M_GND: 31.058,50.805 34.52,55.626
  rectangle net M_GND: 1.143,36.088 16.383,51.943
  rectangle net GND: 53.03,15.73 53.934,17.627
  rectangle net GND: 41.402,84.328 53.594,93.345
  rectangle net GND: 53.086,24.326 53.949,26.924
  rectangle net GND: 56.833,23.922 57.785,27.178
  rectangle net GND: 122.555,1.009 129.032,6.604
  rectangle net GND: 1.196,0.875 9.017,7.62
  rectangle net GND: 1.27,87.249 7.62,93.472
  rectangle: 123.571,88.265 128.808,93.472
  rectangle net GND: 90.805,85.725 98.425,92.964
  rectangle net GND: 64.389,17.907 75.946,19.685
  rectangle net GND: 60.198,22.987 79.248,26.924
  rectangle net GND: 96.012,51.943 115.189,57.785
  rectangle net GND: 100.33,46.482 103.505,48.26
  rectangle net GND: 97.79,48.641 100.457,50.546
  rectangle net GND: 79.756,49.784 83.058,51.689
  rectangle net GND: 70.739,59.055 72.898,60.833
  rectangle net GND: 65.278,58.674 67.31,59.944
  rectangle net GND: 88.138,38.862 89.789,41.529
  rectangle net +5V: 71.374,81.153 82.042,86.974
  rectangle net GND: 51.943,51.943 52.944,54.864
  rectangle net GND: 83.729,38.989 85.881,42.418
  rectangle net GND: 97.445,21.188 97.953,22.077
  rectangle net GND: 68.072,41.656 72.517,44.45
  rectangle net +3.3V: 86.995,66.675 90.932,68.834
  rectangle net +3.3V: 123.444,15.748 125.222,20.066
  region net M_GND: 16.223,55.041 14.186,57.079 13.622,56.515 3.556,56.515 3.556,52.578 7.62,48.514 16.891,48.514
  region net M_GND: 31.035,35.885 31.059,35.909 31.059,36.393 32.004,37.338 32.512,36.83 32.512,35.687 32.258,35.687 31.623,35.052
  region net M_GND: 16.383,50.711 11.362,56.134 2.54,56.134 2.54,51.054
  region net GND: 55.317,37.385 55.114,37.588 57.242,37.459 59.627,39.845 58.984,40.488 55.362,40.488
  region net GND: 57.242,37.459 55.391,37.459 55.317,37.385 55.118,37.584 55.118,39.116 55.753,39.116 55.88,39.243
  region net GND: 83.125,30.286 81.153,32.258 82.042,32.893 83.53,33.33
  region net GND: 64.135,28.829 62.484,28.829 61.722,29.591 62.611,30.48 62.611,30.861 63.881,30.861 64.516,30.226
  region net GND: 62.865,19.431 61.214,21.082 61.214,21.463 61.976,21.463 62.865,22.352 64.262,20.955 65.151,20.955
  region net GND: 77.573,30.682 76.351,30.682 76.351,28.853 76.327,28.829 77.851,28.829 77.851,27.305 80.01,25.146 78.105,23.241 76.2,23.241 76.2,20.948 78.067,19.08
  region net GND: 112.268,46.609 116.078,50.419 110.998,50.419 109.982,51.435
  region net GND: 96.269,31.061 97.533,31.061 97.533,29.848 97.79,29.591 96.012,29.591
  region net +5V: 121.92,48.578 122.809,49.466 122.809,48.578
  region net +5V: 121.793,47.942 122.682,47.053 122.682,47.942

## Silkscreen, mask and mechanical layers (free items; w line width, h text height)
Top Overlay:
  drawing of 44 lines, arcs and shapes, not listed
  text "GPIO" at 123.825,83.463 h2
  text "A12" at 117.729,81.026 h1.2
  text "A11" at 120.65,81.026 h1.2
  text "D13" at 117.892,78.373 h1.2
  text "D12" at 120.629,78.359 h1.2
  text "3V3          5V          GND" at 100.969,77.598 h1.2
  text "D9" at 120.925,75.706 h1.2
  text "D11" at 117.956,75.692 h1.2
  text "D8" at 118.191,73.181 h1.2
  text "B15" at 120.618,73.166 h1.2
  text "3V3     MCU       5V       D10" at 100.965,71.628 h1.2
  text "E15" at 120.647,70.88 h1.2
  text "B14" at 117.88,70.854 h1.2
  text "3V3                   5V" at 85.817,68.935 h1 r270
  text "D15" at 97.155,68.598 h1.5
  text "E13" at 120.654,68.213 h1.2
  text "E14" at 117.91,68.199 h1.2
  text "D14" at 97.155,66.04 h1.5
  text "E12" at 117.925,65.676 h1.2
  text "E11" at 120.719,65.659 h1.2
  text "GY-70" at 71.35,63.373 h2 r90
  text "E10" at 117.924,63.133 h1.2
  text "E9" at 120.955,63.133 h1.2
  text "E8" at 118.22,60.72 h1.2
  text "E7" at 120.954,60.706 h1.2
  text "B0" at 120.927,58.18 h1.2
  text "B1" at 118.254,58.166 h1.2
  text "I2C3" at 76.835,54.882 h1.5
  text "lenna" at 80.264,49.403 h3
  text "BOOT1" at 60.561,47.27 h1.5 r90
  text "BOOT0" at 51.798,47.117 h1.5 r90
  text "ROBOTICS" at 80.264,46.772 h3
  text "LMR-V1.1 / MCU Board" at 80.264,42.164 h2
  text "RST" at 54.229,28.466 h1.5
  text "ETH" at 108.712,26.289 h1.5
  text "US4" at 3.81,23.132 h1.5
  text "US3" at 10.965,23.132 h1.5
  text "US2" at 18.415,23.132 h1.5
  text "US1" at 25.654,23.132 h1.5
  text "JETSON NANO" at 66.802,12.972 h1.5
  text "3V3         5V" at 38.036,11.938 h1.5
  text "3V3         5V" at 52.768,11.811 h1.5
  text "TX" at 23.368,9.053 h1.5
  text "RX" at 27.432,9.053 h1.5
  text "USART2" at 30.734,9.035 h1.5
  text "SPI3" at 46.482,9.035 h1.5
Top Solder:
  rectangle: 0.508,36.195 20.193,56.261

## Text inside footprints (layer, text, board x,y; h text height)
GPDP1: Top Overlay "2" at 108.006,68.888 h0.61 r90; Top Overlay "1" at 108.006,66.348 h0.61 r90; Top Overlay "ON" at 103.643,66.048 h0.61 r90; Mechanical 3 "ON" at 103.262,66.048 h0.61 r90; Mechanical 3 "1" at 108.387,66.348 h0.61 r90; Mechanical 3 "2" at 108.387,68.888 h0.61 r90
L298: Top Overlay "15" at 26.277,56.243 h0 r90
S2: Top Overlay "ON" at 53.983,51.025 h0.61; Top Overlay "1" at 54.283,46.662 h0.61; Top Overlay "2" at 56.823,46.662 h0.61; Mechanical 3 "2" at 56.823,46.281 h0.61; Mechanical 3 "1" at 54.283,46.281 h0.61; Mechanical 3 "ON" at 53.983,51.406 h0.61
STLINK: Top Overlay "2" at 118.913,88.507 h0.8 r180; Top Overlay "1" at 118.413,91.047 h0.8 r180; Top Overlay "10" at 104.337,88.507 h0.8 r180; Top Overlay "9" at 104.337,91.047 h0.8 r180